# Altium PCB PCB.PcbDoc (part 1 of 2) (continued)
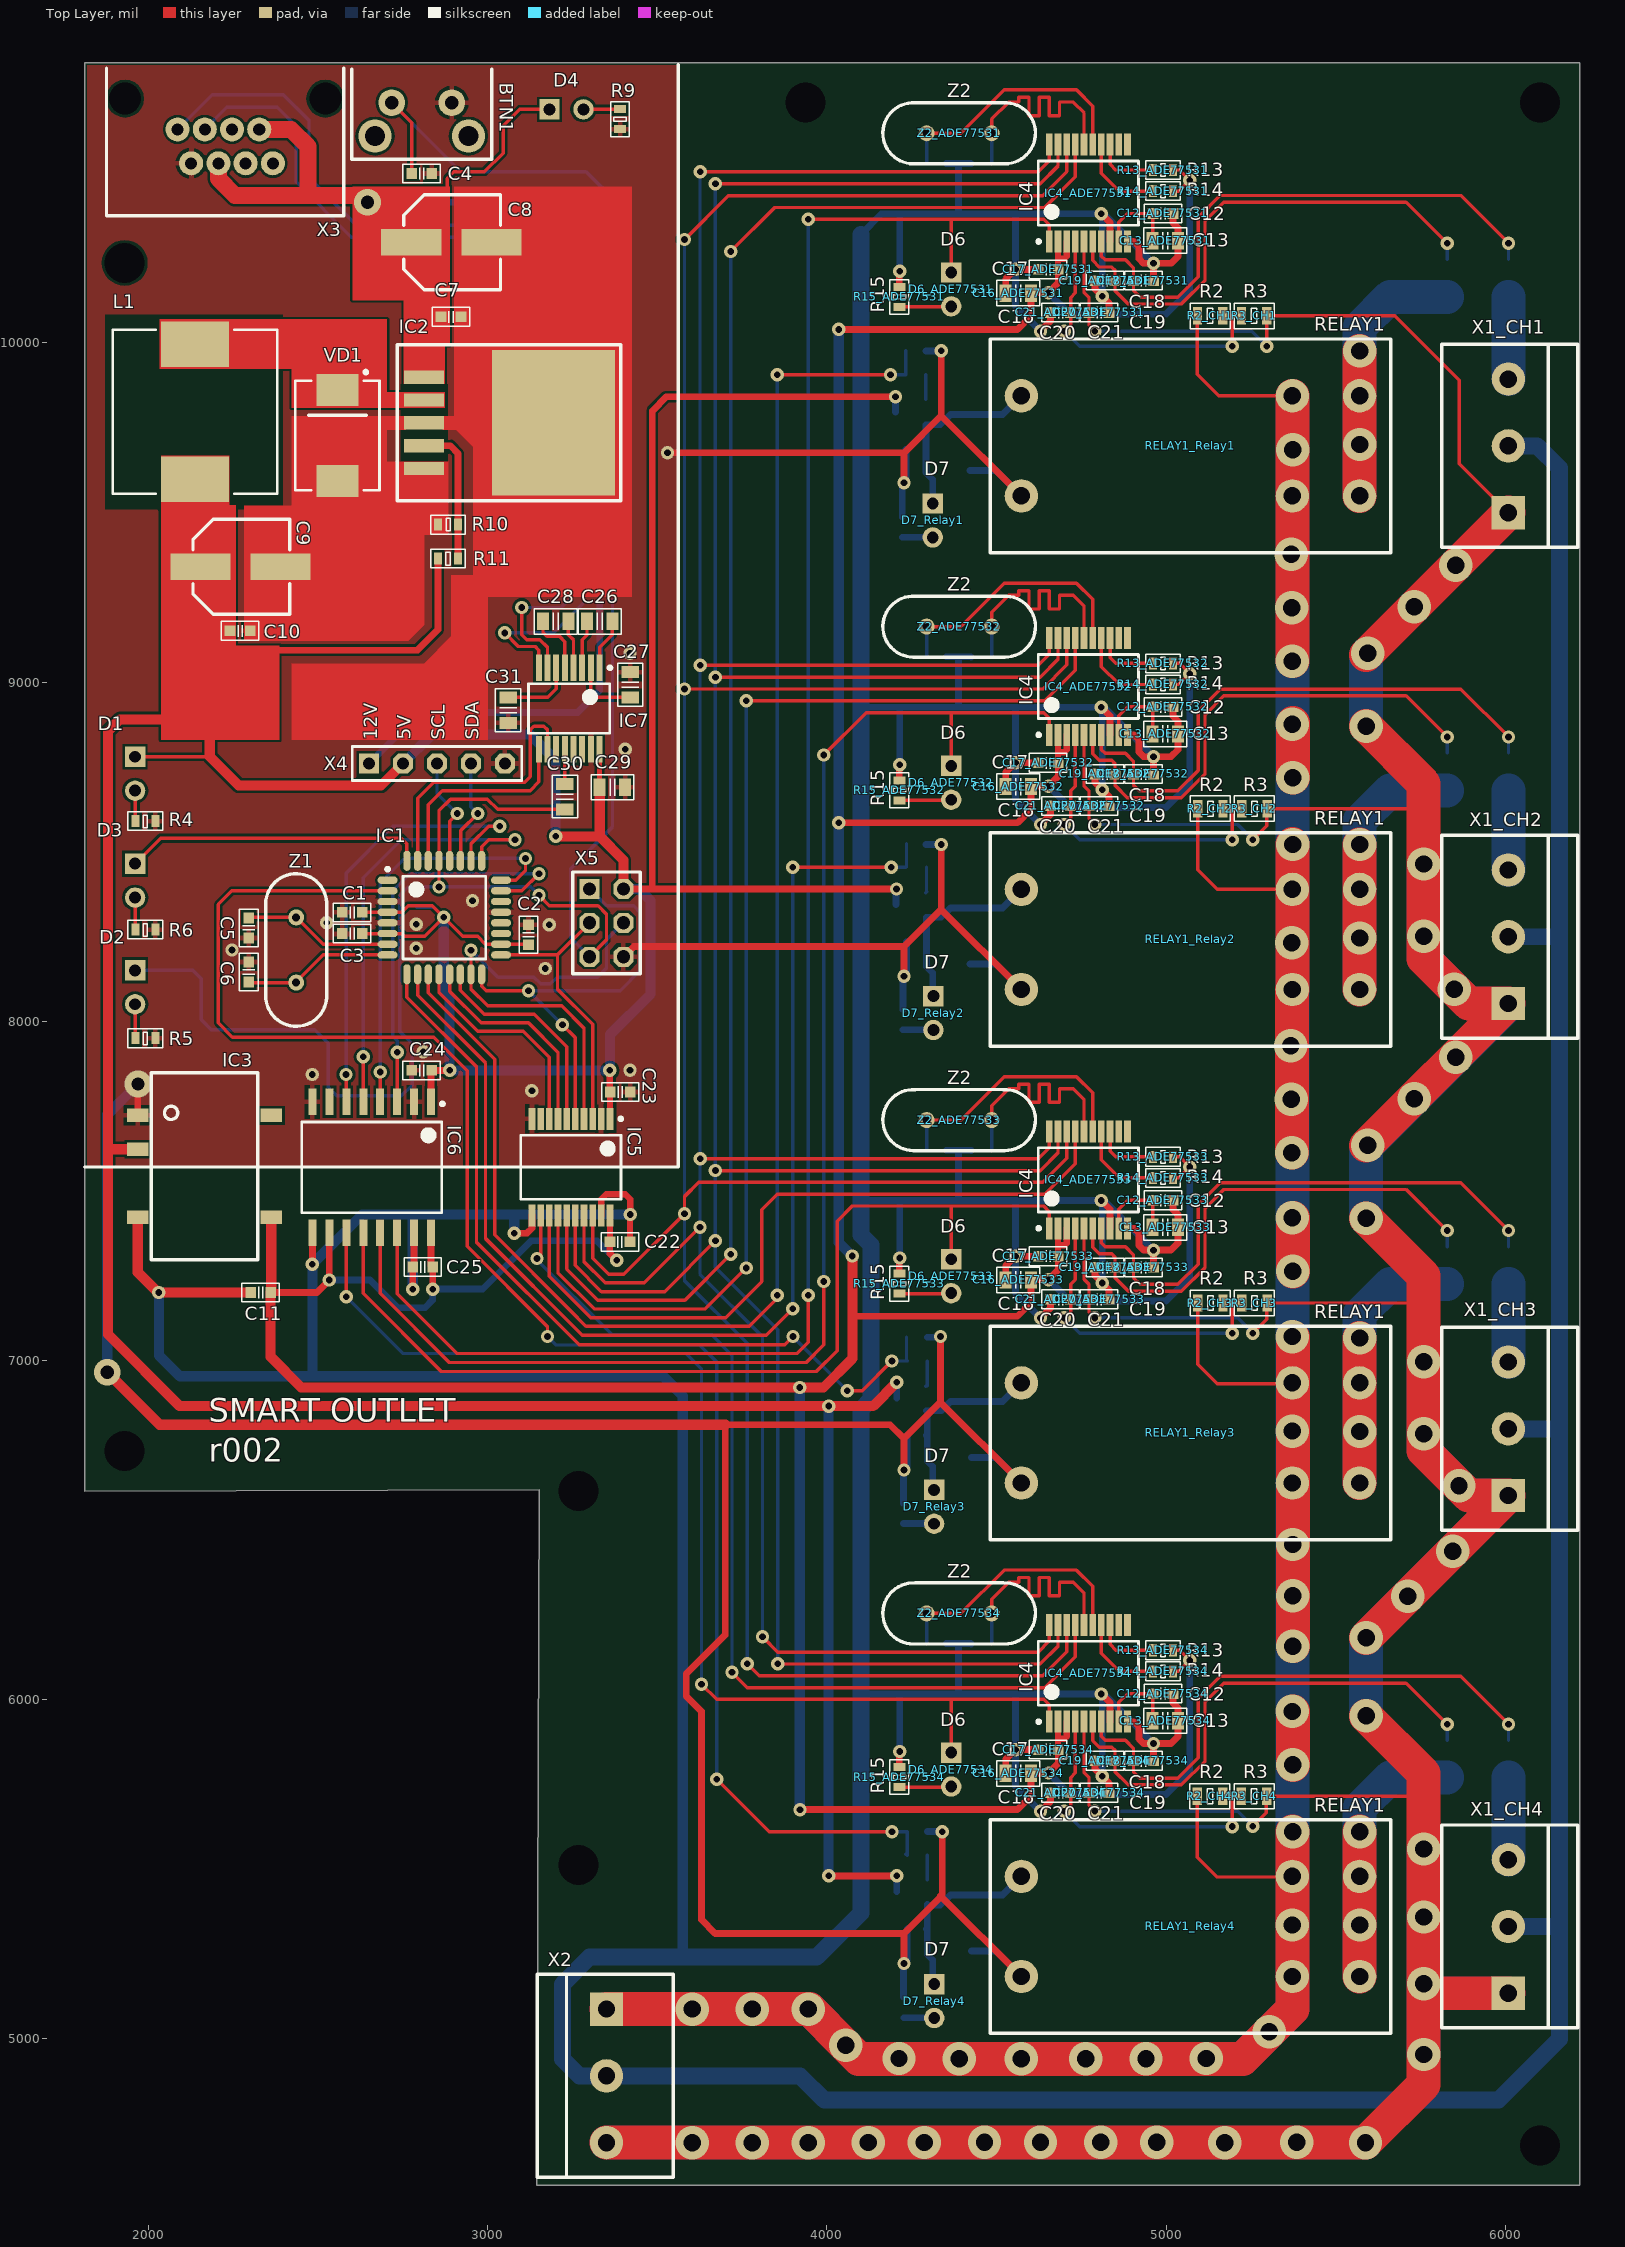
[diagram p0: Top Layer view]
## Components (designator, comment, footprint, x,y, rotation, side; value= is the part's Value field where it differs from the comment) (continued)
R19_Relay4 "2.2k" R_0603 4226.53,5090.47 r270 bottom (schematic designator R19)
RELAY1_Relay1 "RTSET005" RTSET005 5072.08,9696.64 r0 top (schematic designator RELAY1)
RELAY1_Relay2 "RTSET005" RTSET005 5072.08,8241.25 r0 top (schematic designator RELAY1)
RELAY1_Relay3 "RTSET005" RTSET005 5072.08,6785.86 r0 top (schematic designator RELAY1)
RELAY1_Relay4 "RTSET005" RTSET005 5072.08,5330.47 r0 top (schematic designator RELAY1)
VD1 "30BQ040" "DO-214AB (SMC)" 2556.52,9727.22 r270 top
X1_CH1 "DG-300-3" DG-300-5MM-3 6009.45,9696.64 r180 top (schematic designator X1)
X1_CH2 "DG-300-3" DG-300-5MM-3 6009.45,8249 r180 top (schematic designator X1)
X1_CH3 "DG-300-3" DG-300-5MM-3 6009.45,6798 r180 top (schematic designator X1)
X1_CH4 "DG-300-3" DG-300-5MM-3 6009.45,5330.47 r180 top (schematic designator X1)
X2 "DG-300-3" DG-300-5MM-3 3350,4890 r0 top
X3 "RJ45" RJ45 2225.59,10625.2 r180 top
X4 "PLS-5" PLS-5-3D 2650,8760 r0 top
X5 "PLD-6" PLD-6 3350,8290 r0 top
Z1 "8MHz" HC-49 2435,8210 r90 top
Z2_ADE77531 "8MHz" HC-49 4390,10618.53 r180 top (schematic designator Z2)
Z2_ADE77532 "8MHz" HC-49 4390,9163.53 r180 top (schematic designator Z2)
Z2_ADE77533 "8MHz" HC-49 4390,7708.53 r180 top (schematic designator Z2)
Z2_ADE77534 "8MHz" HC-49 4390,6253.53 r180 top (schematic designator Z2)

## Footprints (in the part's own frame and the unit in brackets; to place one, negate y for a bottom-side part, rotate by r counter-clockwise, add the part's x,y. Pads: shape width x height; smd on the part's side, far side on the other; paste and mask are expansions set on the pad)
C_0603 [mm] "Chip Capacitor; Body 1.6 x 0.8 mm (LxW typ)"
  rect 0.8x0.8 smd: 1(-0.75,0) 2(0.75,0)
  silkscreen extent -1.4,-0.7 1.4,0.7, body extent -0.8,-0.4 0.8,0.4, height 0.3
C_0805 [mm] "Capacitor Pattern"
  rect 0.9x1.3 smd: 1(-0.95,0) 2(0.95,0)
  silkscreen extent -1.6,-0.95 1.6,0.95, body extent -1,-0.63 1,0.62, height 0.6
DG-300-5MM-3 [mm]
  rect 2.5x2.5 hole 1.3: 1(0,5)
  round 2.5 hole 1.3: 2(0,0) 3(0,-5)
  silkscreen extent -5.2,-7.6 5,7.6, body extent -5.2,-7.65 5,7.65, height 14.3
"DO-214AB (SMC)" [mm] "Molded Diode, 2-Leads, Body 7.94x5.90mm, IPC Medium Density"
  rect 2.4x3.15 smd: A(3.4,0) C(-3.4,0)
  silkscreen extent -4.87,-3.15 4.1,3.15, body extent -4.06,-3.05 4.07,3.05, height 2.4
DO-214AC [mm]
  rect 2.4x1.55 smd: 1(2.1,0) 2(-2.1,0)
  silkscreen extent -2.55,-1.45 2.45,1.45, body extent -2.6,-1.3 2.6,1.3, height 2.39
HC-49 [mm]
  round 1.2 hole 0.6: 1(-2.44,0) 2(2.44,0)
  silkscreen extent -5.71,-2.29 5.71,2.29, body extent -5.67,-2.32 5.68,2.33, height 3.6
L-12.3x12.3 [mm] "Precision Wire Wound Inductor, 2-Leads, Body 12.00x12.00mm, IPC Medium Density"
  rect 3.4x5.1 smd: 1(-5.05,0) 2(5.05,0)
  silkscreen extent -6.15,-6.15 6.15,6.15, body extent -6,-6 6,6, height 8
LED_5mm [mil]
  rect 60x60 hole 35: 1(0,0)
  round 60 hole 35: 2(100,0)
  body extent -65,-114 148,114, height 520
PLD-6 [mm]
  rect 1.5x1.5 hole 1: 1(-1.27,2.54)
  oct 1.5x1.5 hole 1: 2(1.27,2.54) 3(-1.27,0) 4(1.27,0) 5(-1.27,-2.54) 6(1.27,-2.54)
  silkscreen extent -2.54,-3.81 2.54,3.81, body extent -2.5,-3.81 2.5,3.81, height 8.4
PLS-5-3D [mm] "Connector; Header; 5 Position"
  rect 1.5x1.5 hole 0.9: 1(0,0)
  oct 1.5x1.5 hole 0.9: 2(2.54,0) 3(5.08,0) 4(7.62,0) 5(10.16,0)
  silkscreen extent -1.27,-1.27 11.43,1.27, body extent -1.27,-1.27 11.43,1.27, height 8.44
"PUSH BUTTON RIGHT ANGLE" [mm]
  round 2.5 hole 1.5: 0(-3.5,0) 0(3.5,0)
  round 2 hole 1: 1(-2.25,-2.5) 2(2.25,-2.5)
  silkscreen extent -5.25,-5 5.25,1.75, body extent -4.19,-10.84 4.21,1.46, height 8.3
R79 [mm]
  rect 2x4.5 smd: 1(0,3) 2(0,-3)
  silkscreen extent -3.56,-3.68 3.56,3.56, body extent -3.3,-3.5 3.3,3.5, height 3.91
R_0603 [mm]
  rect 0.6x0.9 smd: 1(-0.75,0) 2(0.75,0)
  silkscreen extent -1.3,-0.7 1.3,0.7, body extent -0.8,-0.41 0.8,0.41, height 0.45
R_0805 [mm] "Resistor Pattern"
  rect 0.7x1.3 smd: 1(-0.95,0) 2(0.95,0)
  silkscreen extent -1.5,-0.95 1.5,0.95, body extent -1,-0.6 1,0.6, height 0.5
RJ45 [mm]
  round 0 hole 2.4: 0(-7.5,-2.42) 0(7.5,-2.42)
  round 1.8 hole 0.9: 1(3.57,-0.12) 2(2.55,2.42) 3(1.53,-0.12) 4(0.51,2.42) 5(-0.51,-0.12) 6(-1.53,2.42) 7(-2.55,-0.12) 8(-3.57,2.42)
  silkscreen extent -8.89,-4.7 8.89,6.35, body extent -7.87,-15.13 8.12,5.92, height 13.37
RTSET005 [mm]
  round 2.5 hole 1.3: 1(12.67,3.75) 2(12.67,-3.75) 3(7.63,3.75) 4(7.63,-3.75) 5(-12.67,3.75) 6(-12.67,-3.75)
  silkscreen extent -15,-8 15,8
SOIC-16 [mm]
  rect 2x0.6 smd: 1(-4.9,4.445) 2(-4.9,3.175) 3(-4.9,1.905) 4(-4.9,0.635) 5(-4.9,-0.635) 6(-4.9,-1.905) 7(-4.9,-3.175) 8(-4.9,-4.445) 9(4.9,-4.445) 10(4.9,-3.175) 11(4.9,-1.905) 12(4.9,-0.635) 13(4.9,0.635) 14(4.9,1.905) 15(4.9,3.175) 16(4.9,4.445)
  silkscreen extent -4.87,-5.25 3.4,5.42, body extent -6.5,-5.25 5.32,5.25, height 2.72
SOP-20 [mm] "SOP, 20-Leads, Body 7.20x5.30mm, Pitch 0.65mm, IPC Medium Density"
  rect 1.65x0.5 smd: 1(-3.625,2.925) 2(-3.625,2.275) 3(-3.625,1.625) 4(-3.625,0.975) 5(-3.625,0.325) 6(-3.625,-0.325) 7(-3.625,-0.975) 8(-3.625,-1.625) 9(-3.625,-2.275) 10(-3.625,-2.925) 11(3.625,-2.925) 12(3.625,-2.275) 13(3.625,-1.625) 14(3.625,-0.975) 15(3.625,-0.325) 16(3.625,0.325) 17(3.625,0.975) 18(3.625,1.625) 19(3.625,2.275) 20(3.625,2.925)
  silkscreen extent -3.75,-3.75 2.4,3.85, body extent -3.95,-3.67 3.95,3.66, height 2.03
SOT23 [mil]
  rect 30x30 smd: 1(0,0) 2(0,-75) 3(90,-37.5)
  silkscreen extent -50,25 -25,50, body extent -4,-97 94,21, height 41
SSOP-16 [mm]
  rect 2x0.45 smd: 1(-3.05,2.275) 2(-3.05,1.625) 3(-3.05,0.975) 4(-3.05,0.325) 5(-3.05,-0.325) 6(-3.05,-0.975) 7(-3.05,-1.625) 8(-3.05,-2.275) 9(3.05,-2.275) 10(3.05,-1.625) 11(3.05,-0.975) 12(3.05,-0.325) 13(3.05,0.325) 14(3.05,0.975) 15(3.05,1.625) 16(3.05,2.275)
  silkscreen extent -3.17,-3.05 1.85,3.17, body extent -3.9,-3.1 3.9,3.1, height 1.9
"TES 1-0511" [mm]
  rect 1.6x1 smd: 1(-5,3.81) 2(-5,1.27) 4(-5,-3.81) 5(5,-3.81) 8(5,3.81)
  silkscreen extent -4,-7 4,7
TO263-5L [mm]
  rect 1x3 smd: 1(-3.42,-4.85) 2(-1.71,-4.85) 3(0,-4.85) 4(1.71,-4.85) 5(3.42,-4.85)
  rect 10.9x9.2 smd: 3(0,4.85)
  silkscreen extent -5.84,-6.86 5.84,9.91, body extent -5.08,-5.4 5.08,8.61, height 4.56
TQFP-32 [mm]
  oval 1.5x0.55 smd: 1(-4.25,2.8) 2(-4.25,2) 3(-4.25,1.2) 4(-4.25,0.4) 5(-4.25,-0.4) 6(-4.25,-1.2) 7(-4.25,-2) 8(-4.25,-2.8) 17(4.25,-2.8) 18(4.25,-2) 19(4.25,-1.2) 20(4.25,-0.4) 21(4.25,0.4) 22(4.25,1.2) 23(4.25,2) 24(4.25,2.8)
  oval 0.55x1.5 smd: 9(-2.8,-4.25) 10(-2,-4.25) 11(-1.2,-4.25) 12(-0.4,-4.25) 13(0.4,-4.25) 14(1.2,-4.25) 15(2,-4.25) 16(2.8,-4.25) 25(2.8,4.25) 26(2,4.25) 27(1.2,4.25) 28(0.4,4.25) 29(-0.4,4.25) 30(-1.2,4.25) 31(-2,4.25) 32(-2.8,4.25)
  silkscreen extent -4.37,-3.1 3.1,3.75, body extent -4.6,-4.63 4.6,4.57, height 1.2
WSHP2818 [mm] "Chip Resistor, 2-Leads, Body 7.10x4.60mm, IPC Medium Density"
  rect 3.95x4.6 smd: 1(-2.3,0.4) 2(2.3,0.4)
  rect 3.95x0.6 smd: 3(-2.3,-2.4) 4(2.3,-2.4)
  silkscreen extent -4.5,-2.9 4.5,2.9, body extent -3.67,-2.43 3.68,2.42, height 1.5

## Part data
BTN1: "Push button"
C1 C2 C3 C4 C5 C6 C7 C10 C11 C12_ADE77531 C12_ADE77532 C12_ADE77533 C12_ADE77534 C14_ADE77531 C14_ADE77532 C14_ADE77533 C14_ADE77534 C15_ADE77531 C15_ADE77532 C15_ADE77533 C15_ADE77534 C17_ADE77531 C17_ADE77532 C17_ADE77533 C17_ADE77534 C18_ADE77531 C18_ADE77532 C18_ADE77533 C18_ADE77534 C19_ADE77531 C19_ADE77532 C19_ADE77533 C19_ADE77534 C20_ADE77531 C20_ADE77532 C20_ADE77533 C20_ADE77534 C21_ADE77531 C21_ADE77532 C21_ADE77533 C21_ADE77534 C22 C23 C24 C25: library part C0603, "Capacitor"
C8 C9: library part Electrolit, "Electrolit capasitor"
C13_ADE77531 C13_ADE77532 C13_ADE77533 C13_ADE77534 C16_ADE77531 C16_ADE77532 C16_ADE77533 C16_ADE77534 C26 C27 C28 C29 C30 C31: library part C0805, "Capacitor"
D1 D2 D3 D4 D6_ADE77531 D6_ADE77532 D6_ADE77533 D6_ADE77534 D7_Relay1 D7_Relay2 D7_Relay3 D7_Relay4: library part LED_5mm, "Typical INFRARED GaAs LED"
D8_Relay1 D8_Relay2 D8_Relay3 D8_Relay4: "Diode"
IC1: "High Performance, Low Power Atmel AVR 8-Bit Microcontroller"
IC2: "52KHz, 2A PWM Buck DC/DC Converter", Link=https://voron.ua/catalog/031858
IC3: "Isolated DC/DC Converter"
IC4_ADE77531 IC4_ADE77532 IC4_ADE77533 IC4_ADE77534: library part ADE7753ARSZ, "Data Acquisition ADC/DAC"
IC5: "Digital Isolator for SPI"
IC6: "Quad-Channel Digital Isolators"
IC7: "RS-232 Line Driver/Receiver With ±15-kV ESD Protection"
L1: library part L, "Inductor"
Q1_Relay1 Q1_Relay2 Q1_Relay3 Q1_Relay4: library part N-ch_SOT23, "N-Channel Enhancement Mode MOSFET", ComponentLink1Description="Manufacturer Link", ComponentLink1URL=http://www.zetex.com/, ComponentLink2Description=Datasheet, ComponentLink2URL=www.zetex.com/3.0/pdf/ZXM61N02F.pdf, DatasheetVersion=May-99, PackageDescription="SOT-23; 3 Leads; Body 3.1 x 2.5 mm, inc. leads (LxW max), Alternate Lead Configuration", PackageReference=SOT23, PackageVersion=1996, Published=17-Dec-2003, Publisher="Altium Limited"
R1_CH1 R1_CH2 R1_CH3 R1_CH4: "Current Shunt", Link=https://www.digikey.com/product-detail/en/vishay-dale/WSHP2818R0330FEA/541-3279-1-ND/6605255
R2_CH1 R2_CH2 R2_CH3 R2_CH4 R3_CH1 R3_CH2 R3_CH3 R3_CH4: library part R0805, "Resistor"
R4 R5 R6 R7 R9 R10 R11 R13_ADE77531 R13_ADE77532 R13_ADE77533 R13_ADE77534 R14_ADE77531 R14_ADE77532 R14_ADE77533 R14_ADE77534 R15_ADE77531 R15_ADE77532 R15_ADE77533 R15_ADE77534 R16_Relay1 R16_Relay2 R16_Relay3 R16_Relay4 R17_Relay1 R17_Relay2 R17_Relay3 R17_Relay4 R18_Relay1 R18_Relay2 R18_Relay3 R18_Relay4 R19_Relay1 R19_Relay2 R19_Relay3 R19_Relay4: library part R0603, "Resistor"
RELAY1_Relay1 RELAY1_Relay2 RELAY1_Relay3 RELAY1_Relay4: library part 1-1415898-8, "General Purpose Relay"
VD1: "High Performance Schottky Rectifier, 3.0 A", Link=https://voron.ua/catalog/schottky-diode-30bq040-irf
X3: "Outlet YH-55-05 8P8C 5521", Link=https://www.rcscomponents.kiev.ua/product/rozetka-yh-55-05-8p8c-5521-l-kls12-133-8p8c-w-o-2-01_8324.html
X4: "Header, 5-Pin", LatestRevisionDate=17-Jul-2002, LatestRevisionNote="Re-released for DXP Platform.", Publisher="Altium Limited"
Z1 Z2_ADE77531 Z2_ADE77532 Z2_ADE77533 Z2_ADE77534: library part XTAL, "Quartz resonator"

## Free pads (board coordinates)
  round 0 hole 118.11 unplated: 4(1929.13,10236.22) 5(3937.01,10708.66) 5(6102.36,10708.66) 6(6102.36,4685.04) 7(3267.72,5511.81) 8(3267.72,6614.17) 9(1929.13,6732.28)

## Via types
v1: diameter 39.37, hole 19.68, Top Layer to Bottom Layer, 106 vias
v2: diameter 98.43, hole 51.18, Top Layer to Bottom Layer, 75 vias
v3: diameter 39.37, hole 19.68, Top Layer to Bottom Layer, tented both sides, 50 vias
v4: diameter 78.74, hole 39.37, Top Layer to Bottom Layer, 3 vias

## Nets (pads, with @x,y where several pads share a name; then routed paths per layer and width w, separated by ;. In a path a pad name is that pad's centre, name@x,y a point inside that pad or via, vN(x,y) a via of type N, cw(c..) or ccw(c..) an arc to the next point about the centre after c; other vN are vias at no path point)
5V: C1.2 C2.2 C3.2 C9.1 C10.2 C23.2 C24.2 C29.2 D1.1 IC1.4 IC1.6 IC1.18 IC3.2 IC5.1 IC6.1 IC7.16 L1.2 Q1_Relay1.3 Q1_Relay2.3 Q1_Relay3.3 Q1_Relay4.3 R7.1 R11.1 X4.2 X5.2 | length 14959.8
  Top Layer w10: D1.1@1960,8779.8 2180,8779.8 ; C3.2@2629.53,8258.45 IC1.6@2704.37,8258.45 2746.55,8258.45 2755,8250 2813.94,8250 v1(2870,8306.06) ; C1.2@2629.54,8320.94 2630.05,8321.44 IC1.4@2704.37,8321.44 2746.44,8321.44 2765,8340 2836.06,8340 v1(2870,8306.06) ; C24.2@2829.53,7855 C24.2@2832.69,7851.83 ; C2.2@3120.02,8225.41 3118.47,8226.95 IC1.18@3039.02,8226.95 2993.05,8226.95 2970,8250 2926.06,8250 v1(2870,8306.06) ; C23.2@3360.38,7790.43 C23.2@3361.17,7791.22
  Top Layer w15: IC7.16@3329.61,8802.14 3329.61,8690.43 C29.2@3330.05,8690
  Top Layer w19: v1(3360,7855) 3360,7792.39 C23.2@3361.17,7791.22 ; IC5.1@3360.38,7711.94 C23.2@3360.38,7790.43
  Top Layer w20: 2377.52,9094.22 2792.76,9094.22 2852.99,9154.46 R11.1@2852.99,9364.22 ; IC6.1@2832.69,7762.05 C24.2@2832.69,7851.83 ; C24.2@2834.53,7855 v1(2887.44,7855) ; X5.2@3400,8390 v1(4205,8390) ; 3485,8390 3485,9800 3526.55,9841.55 v1(4202.08,9841.55) ; v1@4005,5479.61 v1(4206.13,5479.61)
  Top Layer w30: IC3.2@1967.67,7622.22 1880,7622.22 ; 2050,8890 1915,8890 1880,8855 1880,7622.22 ; 2180,8880 2180,8780.76 2265.76,8695 2685,8695 X4.2@2750,8760 ; v1(3200,8545) 3330,8545 3400,8475 X5.2@3400,8390 ; 3330.05,8545 C29.2@3330.05,8690 ; v1(4206.13,6935) 4136.13,6865 v1(4005,6865) 2091.69,6865 1880,7076.69 1880,7622.22
  Bottom Layer w10: R7.1@2790,8335.47 2840.59,8335.47 v1(2870,8306.06)
  Bottom Layer w20: Q1_Relay1.3@4202.08,9796.64 v1(4202.08,9841.55) ; Q1_Relay2.3@4204,8344 4204,8389 v1(4205,8390) ; Q1_Relay4.3@4206.13,5432.61 v1(4206.13,5479.61) ; Q1_Relay3.3@4206.13,6888 v1(4206.13,6935)
  Bottom Layer w30: X4.2@2750,8760 2835,8845 3125,8845 3200,8770 v1(3200,8545) ; v1(2870,8306.06) 2870,8085 2887.44,8067.56 v1(2887.44,7855) v1(3360,7855) 3360,7960 3480,8080 3480,8355 3445,8390 X5.2@3400,8390 ; v1(4005,5480) v1(4005,6865)
5VDC: C11.2 C16_ADE77531.2 C16_ADE77532.2 C16_ADE77533.2 C16_ADE77534.2 C17_ADE77531.2 C17_ADE77532.2 C17_ADE77533.2 C17_ADE77534.2 C22.2 C25.2 IC3.5 IC4_ADE77531.2 IC4_ADE77531.3 IC4_ADE77532.2 IC4_ADE77532.3 IC4_ADE77533.2 IC4_ADE77533.3 IC4_ADE77534.2 IC4_ADE77534.3 IC5.20 IC6.10 IC6.16 R13_ADE77531.2 R13_ADE77532.2 R13_ADE77533.2 R13_ADE77534.2 R14_ADE77531.2 R14_ADE77532.2 R14_ADE77533.2 R14_ADE77534.2 | length 15648.2
  Top Layer w10: C22.2@3360.17,7349.22 C22.2@3360.38,7349.43 ; C17_ADE77534.2@4681.43,5852.57 C17_ADE77534.2@4682,5852 ; C17_ADE77533.2@4681.43,7307.57 C17_ADE77533.2@4682,7307 ; C17_ADE77532.2@4681.43,8762.57 C17_ADE77532.2@4682,8762 ; C17_ADE77531.2@4681.43,10217.57 C17_ADE77531.2@4682,10217 ; R14_ADE77534.2@5020.53,6083 5038,6083 v3(5070,6115) 5040,6145 R13_ADE77534.2@5020.53,6145 ; R14_ADE77533.2@5020.53,7538 5038,7538 v3(5070,7570) 5040,7600 R13_ADE77533.2@5020.53,7600 ; R14_ADE77532.2@5020.53,8993 5038,8993 v3(5070,9025) 5040,9055 R13_ADE77532.2@5020.53,9055 ; R14_ADE77531.2@5020.53,10448 5038,10448 v3(5070,10480) 5040,10510 R13_ADE77531.2@5020.53,10510
  Top Layer w19: C22.2@3360.17,7349.22 3360.17,7314.83 v1(3380,7295) ; C22.2@3360.38,7349.43 IC5.20@3360.38,7426.5 ; C17_ADE77534.2@4681.43,5852.57 4681.43,5883.68 ; IC4_ADE77534.2@4681.43,5934.28 4681.43,5883.68 ; C17_ADE77533.2@4681.43,7307.57 4681.43,7338.68 ; IC4_ADE77533.2@4681.43,7389.28 4681.43,7338.68 ; C17_ADE77532.2@4681.43,8762.57 4681.43,8793.68 ; IC4_ADE77532.2@4681.43,8844.28 4681.43,8793.68 ; C17_ADE77531.2@4681.43,10217.57 4681.43,10248.68 ; IC4_ADE77531.2@4681.43,10299.28 4681.43,10248.68 ; IC4_ADE77534.3@4707.02,5934.28 4707.02,5890.7 4700,5883.68 4681.43,5883.68 ; IC4_ADE77533.3@4707.02,7389.28 4707.02,7345.7 4700,7338.68 4681.43,7338.68 ; IC4_ADE77532.3@4707.02,8844.28 4707.02,8800.7 4700,8793.68 4681.43,8793.68 ; IC4_ADE77531.3@4707.02,10299.28 4707.02,10255.7 4700,10248.68 4681.43,10248.68
  Top Layer w20: C11.2@2359.53,7200.22 2361.37,7200.22 2495.9,7200.22 v1(2532.69,7237.01) IC6.10@2532.69,7376.22 ; IC6.16@2832.69,7376.22 2832.69,7279.83 C25.2@2837.53,7275 v1(2837.53,7210) ; v1(3920.5,5675) 4561.47,5675 4601.87,5715.4 C16_ADE77534.2@4601.87,5782 4602.87,5783 v3(4653.47,5783) 4682,5811.53 C17_ADE77534.2@4682,5852 ; v1(4035,8585) 4561.47,8585 4601.87,8625.4 C16_ADE77532.2@4601.87,8692 4602.87,8693 v3(4653.47,8693) 4682,8721.53 C17_ADE77532.2@4682,8762 ; v1(4035,10040) 4561.47,10040 4601.87,10080.4 C16_ADE77531.2@4601.87,10147 4602.87,10148 v3(4653.47,10148) 4682,10176.53 C17_ADE77531.2@4682,10217 ; 4075,7130 4561.47,7130 4601.87,7170.4 C16_ADE77533.2@4601.87,7237 4602.87,7238 v3(4653.47,7238) 4682,7266.53 C17_ADE77533.2@4682,7307
  Top Layer w30: C11.2@2359.53,7200.22 2359.53,7010.47 2450,6920 v1(3920,6920) 3990,6920 4075,7005 4075,7130 v1(4075,7307.57) ; C11.2@2361.37,7200.22 IC3.5@2361.37,7422.22
  Bottom Layer w20: v1(2532.69,7237.01) 2652.99,7237.01 2735,7155 2815,7155 2837.53,7177.53 v1(2837.53,7210) 2985,7210 3127.43,7352.43 3322.57,7352.43 v1(3380,7295) ; v3(4653.47,5783) 4716.47,5720 5000,5720 5070,5790 v3(5070,6115) ; v3(4653.47,7238) 4716.47,7175 5000,7175 5070,7245 v3(5070,7570) ; v3(4653.47,8693) 4716.47,8630 5000,8630 5070,8700 v3(5070,9025) ; v3(4653.47,10148) 4716.47,10085 5000,10085 5070,10155 v3(5070,10480)
  Bottom Layer w30: v1(3920,6920) 3920,5675.5 v1(3920.5,5675) ; v1(4035,10040) v1(4035,8585) 4035,7347.57 v1(4075,7307.57)
12V: C7.2 C8.1 D4.1 IC2.1 X3.4 X3.7 X4.1 | length 4112.5
  Top Layer w10: 2880,10448 2880,10485 2899.53,10504.53 2989.53,10504.53 3045,10560 3045,10640 3093.98,10688.98 D4.1@3182.02,10688.98
  Top Layer w50: X3.4@2205.51,10529.92 2205.51,10484.49 2255,10435 2470,10435 ; X3.7@2325.98,10629.92 2420.08,10629.92 2470,10580 2470,10435 ; v4@2629.53,10435 2470,10435
  Bottom Layer w20: v4(2645,10415) 3242.02,10415 3330,10327.02 3330,8975 3265,8910 2800,8910 X4.1@2650,8760
220N_CH1: C20_ADE77531.2 C20_ADE77532.2 C20_ADE77533.2 C20_ADE77534.2 IC4_ADE77531.5 IC4_ADE77532.5 IC4_ADE77533.5 IC4_ADE77534.5 R3_CH1.1 R3_CH2.1 R3_CH3.1 R3_CH4.1 X1_CH1.1 X1_CH2.1 X1_CH3.1 X1_CH4.1 X2.3 | length 20405.7
  Top Layer w10: IC4_ADE77534.5@4758.2,5934.28 4758.2,5783.27 4772.94,5768.53 C20_ADE77534.2@4772.94,5725 4772.94,5687.06 v3(4790,5670) ; IC4_ADE77533.5@4758.2,7389.28 4758.2,7238.27 4772.94,7223.53 C20_ADE77533.2@4772.94,7180 4772.94,7142.06 v3(4790,7125) ; IC4_ADE77532.5@4758.2,8844.28 4758.2,8693.27 4772.94,8678.53 C20_ADE77532.2@4772.94,8635 4772.94,8597.06 v3(4790,8580) ; IC4_ADE77531.5@4758.2,10299.28 4758.2,10148.27 4772.94,10133.53 C20_ADE77531.2@4772.94,10090 4772.94,10052.06 v3(4790,10035) ; v1(5255.9,5625.97) 5295.28,5665.35 5295.28,5712.33 R3_CH4.1@5297.4,5714.46 ; v1(5255.91,7080) 5297.4,7121.5 R3_CH3.1@5297.4,7170 ; v1(5255.91,8535) 5297.4,8576.5 R3_CH2.1@5297.4,8625 ; R3_CH4.1@5297,5714.46 R3_CH4.1@5297.4,5714.46 ; v1(5297.4,9990) R3_CH1.1@5297.4,10080 5675,10080 5865,9890 5865,9644.24 X1_CH1.1@6009.45,9499.79 ; R3_CH3.1@5298.08,7168.91 5746.06,7168.91 5747.15,7170 ; R3_CH2.1@5298.08,8626.91 5745.24,8626.91 5759.84,8612.31 ; 5747.15,5715 5746.61,5714.46 R3_CH4.1@5297.4,5714.46
  Top Layer w100: X2.3@3350,4693.15 v2(3779.53,4693.15) v2(3944.88,4693.15) 4972.44,4693.15 v2(5173.23,4693.15) v2(5588.15,4693.15) 5759.84,4864.84 v2(5759.84,4952.76) v2@5759.84,5133.62 ; v2(5590,5951.47) 5759.84,5781.63 v2(5759.84,5559.06) v2(5759.84,5358.27) v2(5759.84,5161.42) v2@5759.84,5133.62 ; v2(5590,6181.7) v2(5712.6,6304.3) v2(5845.31,6437.01) X1_CH3.1@6009.45,6601.15 5892.73,6601.15 5759.84,6734.04 v2(5759.84,6996.06) 5759.84,7249.16 v2(5590,7419) ; v2@5590,7632.7 X1_CH2.1@6009.45,8052.15 5892.73,8052.15 5759.84,8185.04 5759.84,8612.31 5759.84,8700.16 v2(5590,8870) ; v2@5590,9080.34 X1_CH1.1@6009.45,9499.79 ; X1_CH4.1@6009.45,5133.62 v2@5759.84,5133.62
  Bottom Layer w10: v3(4790,5670) 5211.87,5670 v1(5255.9,5625.97) ; v3(4790,7125) 5210.91,7125 v1(5255.91,7080) ; v3(4790,8580) 5210.91,8580 v1(5255.91,8535) ; v3(4790,10035) 5252.4,10035 v1(5297.4,9990)
  Bottom Layer w100: X2.3@3350,4693.15 v2(3779.53,4693.15) v2(3944.88,4693.15) 4122.05,4693.15 4972.44,4693.15 v2(5173.23,4693.15) v2(5588.15,4693.15) ; v2(5590,5951.47) v2(5590,6181.7) v2(5712.6,6304.3) v2(5845.31,6437.01) X1_CH3.1@6009.45,6601.15 5892.73,6601.15 5759.84,6734.04 v2@5759.84,6994.85 ; v2(5590,7419) 5590,7629.34 X1_CH2.1@6009.45,8048.79 ; v2(5590,8870) 5590,9080.34 X1_CH1.1@6009.45,9499.79 ; v2(5759.84,4952.76) v2@5759.84,5133.62 ; v2(5759.84,5559.06) v2(5759.84,5358.27) v2(5759.84,5161.42) v2@5759.84,5133.62 ; v2@5759.84,8445.85 5759.84,8185.04 5892.73,8052.15 X1_CH2.1@6009.45,8052.15 ; X1_CH4.1@6009.45,5133.62 v2@5759.84,5133.62
  other v2: 3602.36,4692.91 4122.05,4693.39 4287.4,4693.39 4464.57,4693.62 4629.92,4693.62 4807.09,4693.86 4972.44,4693.86 5385.83,4693.86 5863.96,6629.92 5759.84,6783.46 5594.52,7633.86 5732.31,7771.65 5854.36,7893.7 5850.39,8094.49 5759.84,8250.99 5759.84,8463.59 5594.52,9084.86 5732.31,9222.65 5854.36,9344.7
220P_CH1: R2_CH1.2 R2_CH2.2 R2_CH3.2 R2_CH4.2 RELAY1_Relay1.3 RELAY1_Relay1.4 RELAY1_Relay2.3 RELAY1_Relay2.4 RELAY1_Relay3.3 RELAY1_Relay3.4 RELAY1_Relay4.3 RELAY1_Relay4.4 X2.1 | length 14568.7
  Top Layer w10: R2_CH4.2@5092.2,5714.46 5092.2,5534.28 5150.03,5476.44 RELAY1_Relay4.3@5372.47,5476.44 ; R2_CH1.2@5092.6,10080 5092.6,9907.4 5155.72,9844.28 RELAY1_Relay1.3@5372.47,9844.28 ; R2_CH3.2@5093.28,7168.91 5093.28,6988.72 5151.11,6930.89 RELAY1_Relay3.3@5372.47,6930.89 ; R2_CH2.2@5093.28,8626.91 5093.28,8446.72 5151.11,8388.89 RELAY1_Relay2.3@5372.47,8388.89
  Top Layer w100: X2.1@3350,5086.85 v2(3602.36,5086.85) v2(3779.53,5086.85) v2(3945,5086.85) ; v2@3948.15,5086.85 v2(4055.12,4979.88) 4095,4940 4212.6,4940 v2(4389.76,4940) v2(4573.26,4940) v2(4763.78,4940) v2(4940.94,4940) 5118.11,4940 5225,4940 v2(5304.69,5019.69) 5372.47,5087.47 v2(5372.47,5334.65) 5372.47,5476.44 RELAY1_Relay4.3@5372.47,5478.11 v2@5372.47,5610 ; v2(5370.93,7612.48) 5370.93,7769.96 5370.93,7927.44 RELAY1_Relay2.4@5370.93,8093.61 ; RELAY1_Relay2.4@5372.47,8093.61 5372.47,8231.48 RELAY1_Relay2.3@5372.47,8388.89 5372.47,8521.25 v2@5372.47,8522.32 ; v2(5372.47,9061.84) 5372.47,9219.32 5372.47,9376.8 RELAY1_Relay1.4@5372.47,9547.24 ; RELAY1_Relay1.4@5372.47,9549 RELAY1_Relay1.3@5372.47,9844.28 ; v2(5374.02,5807.09) v2@5374.02,5964.57 ; v2(5374.02,6156.96) v2(5374.02,6305.53) v2(5374.02,6456.69) 5374.02,6638.22 5374.02,6791.34 5374.02,6933.5 v2@5374.02,7066.93 ; v2(5374.02,7262.48) v2@5374.02,7419.96 ; v2(5374.02,8717.86) 5374.02,8875.34 v2@5374.02,8879.6
  Bottom Layer w100: X2.1@3350,5086.85 v2(3602.36,5086.85) v2(3779.53,5086.85) v2(3945,5086.85) ; v2@3948.15,5086.85 v2(4055.12,4979.88) 4095,4940 4212.6,4940 v2(4389.76,4940) v2(4573.26,4940) v2(4763.78,4940) v2(4940.94,4940) 5118.11,4940 5225,4940 v2(5304.69,5019.69) 5372.47,5087.47 v2(5372.47,5334.65) v2(5372.47,5964.57) 5372.47,6156.96 RELAY1_Relay3.4@5372.47,6638.22 v2(5372.47,6791.34) 5372.47,7262.48 5372.47,7769.96 5372.47,8231.48 RELAY1_Relay2.3@5372.47,8388.89 5372.47,8717.86 5372.47,9219.32 RELAY1_Relay1.4@5372.47,9549 RELAY1_Relay1.3@5372.47,9844.28
  other v2: 4212.6,4940.94 5118.11,4940.94 5374.02,5610 5372.47,7070 5372.47,7419.96 5369.39,7769.96 5367.84,7927.44 5370.93,8231.48 5374.02,8521.25 5372.47,8875.34 5370.93,9219.32 5369.39,9376.8 5374.02,9685.04
220V_DIV_CH1: C21_ADE77531.2 IC4_ADE77531.4 R2_CH1.1 R3_CH1.2 | length 939.6
  Top Layer w10: v3(4700,10035) 4705,10035 4718.53,10048.53 C21_ADE77531.2@4718.53,10090 4718.53,10134.06 4732.61,10148.14 IC4_ADE77531.4@4732.61,10299.28 ; R2_CH1.1@5167.4,10080 5195,10080 ; v1(5195,9990) 5195,10080 ; R3_CH1.2@5222.6,10080 5195,10080
  Bottom Layer w10: v3(4700,10035) 4745,9990 v1(5195,9990)
220V_DIV_CH2: C21_ADE77532.2 IC4_ADE77532.4 R2_CH2.1 R3_CH2.2 | length 934.6
  Top Layer w10: v3@4705,8580 4718.53,8593.53 C21_ADE77532.2@4718.53,8635 4718.53,8679.06 4732.61,8693.14 IC4_ADE77532.4@4732.61,8844.28 ; R2_CH2.1@5167.4,8625 5195,8625 ; v1(5195,8535) 5195,8625 ; R3_CH2.2@5222.6,8625 5195,8625
  Bottom Layer w10: v3(4700,8580) 4745,8535 v1(5195,8535)
220V_DIV_CH3: C21_ADE77533.2 IC4_ADE77533.4 R2_CH3.1 R3_CH3.2 | length 934.6
  Top Layer w10: v3@4705,7125 4718.53,7138.53 C21_ADE77533.2@4718.53,7180 4718.53,7224.06 4732.61,7238.14 IC4_ADE77533.4@4732.61,7389.28 ; R2_CH3.1@5167.4,7170 5195,7170 ; v1(5195,7080) 5195,7170 ; R3_CH3.2@5222.6,7170 5195,7170
  Bottom Layer w10: v3(4700,7125) 4745,7080 v1(5195,7080)
220V_DIV_CH4: C21_ADE77534.2 IC4_ADE77534.4 R2_CH4.1 R3_CH4.2 | length 934.6
  Top Layer w10: v3@4705,5670 4718.53,5683.53 C21_ADE77534.2@4718.53,5725 4718.53,5769.06 4732.61,5783.14 IC4_ADE77534.4@4732.61,5934.28 ; R2_CH4.1@5167.4,5715 5195,5715 ; v1(5195,5625) 5195,5715 ; R3_CH4.2@5222.6,5715 5195,5715
  Bottom Layer w10: v3(4700,5670) 4745,5625 v1(5195,5625)
CS1: IC4_ADE77531.17 IC5.15 | length 4895.1
  Top Layer w10: IC5.15@3232.43,7426.5 3232.43,7269.17 3324.55,7177.04 3581.43,7177.04 v1(3716.77,7312.39) ; v1(3716.77,10270) 3846.3,10399.53 4642,10399.53 4732.61,10490.14 IC4_ADE77531.17@4732.61,10584.72
  Bottom Layer w10: v1(3716.77,7312.39) v1(3716.77,10270)
CS2: IC4_ADE77532.17 IC5.14 | length 3592.4
  Top Layer w10: IC5.14@3206.83,7426.5 3206.83,7258.57 3313.95,7151.45 3641.47,7151.45 v1(3762.36,7272.35) ; v1(3762.36,8944.53) 4642,8944.53 4732.61,9035.14 IC4_ADE77532.17@4732.61,9129.72
  Bottom Layer w10: v1(3762.36,7272.35) v1(3762.36,8944.53)
CS3: IC4_ADE77533.17 IC5.13 | length 2187.2
  Top Layer w10: IC5.13@3181.24,7426.5 3181.24,7247.97 3303.35,7125.86 3701.52,7125.86 3807.95,7232.3 3807.95,7443.95 3853.53,7489.53 4642,7489.53 4732.61,7580.14 IC4_ADE77533.17@4732.61,7674.72
CS4: IC4_ADE77534.17 IC5.12 | length 2928.5
  Top Layer w10: v1(3145,7300) 3155.65,7310.65 IC5.12@3155.65,7426.5 ; v1(3720,6080) 3765.47,6034.53 4642,6034.53 4732.61,6125.14 IC4_ADE77534.17@4732.61,6219.72
  Bottom Layer w10: v1(3145,7300) 3142,7300 3367,7075 3660,7075 3720,7015 v1(3720,6080)
DIN_ADE77531: IC4_ADE77531.20 IC4_ADE77532.20 IC4_ADE77533.20 IC4_ADE77534.20 IC5.17 | length 9165.8
  Top Layer w10: IC5.17@3283.61,7426.5 3283.61,7290.37 3345.75,7228.23 3461.34,7228.23 v1(3625.59,7392.48) ; v1(3626,7594.53) 4623,7594.53 4655.84,7627.37 IC4_ADE77533.20@4655.84,7674.72 ; v1(3626,9049.53) 4623,9049.53 4655.84,9082.37 IC4_ADE77532.20@4655.84,9129.72 ; v1(3626,10504.53) 4623,10504.53 4655.84,10537.37 IC4_ADE77531.20@4655.84,10584.72 ; v1(3810,6185) 3855.47,6139.53 4623,6139.53 4655.84,6172.37 IC4_ADE77534.20@4655.84,6219.72
  Bottom Layer w10: v1@3625.88,10504.53 3625.88,9049.53 3625.88,7594.53 v1(3625.59,7392.48) 3625.59,7254.41 3810,7070 v1(3810,6185)
DOUT_ADE77531: IC4_ADE77531.19 IC4_ADE77532.19 IC4_ADE77533.19 IC4_ADE77534.19 IC5.16 | length 9289.2
  Top Layer w10: IC5.16@3258.02,7426.5 3258.02,7279.77 3335.15,7202.63 3521.38,7202.63 v1(3671.18,7352.43) ; v1(3671.18,7559.53) 4629,7559.53 4681.43,7611.96 IC4_ADE77533.19@4681.43,7674.72 ; v1(3671.18,9014.53) 4629,9014.53 4681.43,9066.96 IC4_ADE77532.19@4681.43,9129.72 ; v1(3671.18,10469.53) 4629,10469.53 4681.43,10521.96 IC4_ADE77531.19@4681.43,10584.72 ; v1@3855.47,6104.53 4629,6104.53 4681.43,6156.96 IC4_ADE77534.19@4681.43,6219.72
  Bottom Layer w10: v1(3671.18,10469.53) v1(3671.18,9014.53) v1(3671.18,7559.53) v1(3671.18,7352.43) 3671.18,7273.82 3855,7090 v1(3855,6105)
GND: BTN1.1 C1.1 C2.1 C3.1 C4.1 C5.2 C6.2 C7.1 C8.2 C9.2 C10.1 C23.1 C24.1 C27.1 C29.1 C31.1 D8_Relay1.1 D8_Relay2.1 D8_Relay3.1 D8_Relay4.1 IC1.3 IC1.5 IC1.21 IC2.3 IC2.5 IC3.1 IC5.2 IC5.10 IC6.2 IC6.8 IC7.15 R4.2 R5.2 R6.2 R9.2 R10.2 R17_Relay1.2 R17_Relay2.2 R17_Relay3.2 R17_Relay4.2 R18_Relay1.2 R18_Relay2.2 R18_Relay3.2 R18_Relay4.2 R19_Relay1.1 R19_Relay2.1 R19_Relay3.1 R19_Relay4.1 RELAY1_Relay1.6 RELAY1_Relay2.6 RELAY1_Relay3.6 RELAY1_Relay4.6 VD1.A X3.2 X4.5 X5.6 | length 11887.1
  Top Layer w20: IC3.1@1967.67,7722.22 v4@1967.67,7814.96 ; X5.6@3400,8190 3430.67,8220.67 4227.47,8220.67 ; v3(3530,9676.06) 4227.47,9676.06 ; v3(4227.47,5221.31) 4227.47,5309.9 ; v3(4227.47,6676.7) 4227.47,6768.96 ; v3(4227.47,8132.08) 4227.47,8220.67 ; v3(4227.47,9587.47) 4227.47,9676.06 ; v3(4335,7070) 4335,6876.48 4227.47,6768.96 ; 4336.83,6874.65 RELAY1_Relay3.6@4573.26,6638.22 ; v3(4336.83,8521.25) 4336.83,8330.04 ; v3(4336.83,9976.64) 4336.83,9785.42 ; v3(4340,5610) 4340,5426.09 4335,5421.09 4336.83,5419.26 ; RELAY1_Relay4.6@4573.26,5182.83 4336.83,5419.26 ; RELAY1_Relay2.6@4573.26,8093.61 4336.83,8330.04 ; RELAY1_Relay1.6@4573.26,9549 4336.83,9785.42 ; 4227.47,5309.9 3670.57,5309.9 3630,5350.47 3630,5965 3585,6010 3585,6075 3700,6190 3700,6810 4186.43,6810 4227.47,6768.96 ; 4227.47,5309.9 4336.83,5419.26 ; 4227.47,8220.67 4336.83,8330.04 ; 4227.47,9676.06 4336.83,9785.42
  Top Layer w30: v4(1877.95,6964.57) 2032.52,6810 3700,6810
  Bottom Layer w20: R19_Relay1.1@4222.08,9486.17 4222.08,9582.08 v3(4227.47,9587.47) 4232.87,9592.87 R18_Relay1.2@4232.87,9686.64 R18_Relay1.2@4235,9684.5 ; R19_Relay2.1@4224,8033.53 4224,8128.61 v3(4227.47,8132.08) 4234.79,8139.4 R18_Relay2.2@4234.79,8234 ; R19_Relay4.1@4226.13,5122.14 4226.13,5219.96 v3(4227.47,5221.31) 4236.91,5230.75 R18_Relay4.2@4236.91,5322.61 ; R19_Relay3.1@4226.13,6577.53 4226.13,6675.35 v3(4227.47,6676.7) 4236.91,6686.14 R18_Relay3.2@4236.91,6778 ; R17_Relay2.2@4291.92,8521.25 v3(4336.83,8521.25) ; R17_Relay1.2@4291.92,9976.64 v3(4336.83,9976.64) ; R17_Relay3.2@4295.97,7068 4333,7068 v3(4335,7070) ; R17_Relay4.2@4296.37,5610.47 4339.53,5610.47 v3(4340,5610) ; D8_Relay2.1@4422.08,8168.57 4498.3,8168.57 RELAY1_Relay2.6@4573.26,8093.61 ; D8_Relay1.1@4422.08,9623.96 4498.3,9623.96 RELAY1_Relay1.6@4573.26,9549 ; D8_Relay4.1@4426.13,5257.8 4498.3,5257.8 RELAY1_Relay4.6@4573.26,5182.83 ; D8_Relay3.1@4426.13,6713.18 4498.3,6713.18 RELAY1_Relay3.6@4573.26,6638.22
  Bottom Layer w30: v4(1877.95,6964.57) 1877.95,7724.41 v4(1968.5,7814.96)
  other v3: 3130.06,7795 2482.69,7843 3419.22,7855 2810,7910 3169.29,8155.44 2245.67,8210 2789,8215 3181,8284.46 2789,8286 2525,8289.94 2955,8355 3405.4,8802.14 3419.22,9085
MCLK: IC1.17 IC5.3 X5.3 | length 826.6
  Top Layer w10: IC1.17@3039.02,8195.46 3205.46,8195.46 ; X5.3@3300,8290 3205.46,8195.46 ; IC5.3@3309.2,7711.94 3309.2,7990.8 3205.46,8094.54 3205.46,8195.46